# Altium PCB CM4-Tower.PcbDoc (part 6 of 10)
Units mil, origin at the board's own origin, x right, y up, seen from the top; angles counter-clockwise.
Board outline 1968.5 x 5354.33 mil, 8 copper layers (Top Layer, Layer 2, Layer 3, Layer 4, Layer 5, Layer 6, Layer 7, Bottom Layer), stack 61.408 mil thick; 632 components, 480 nets, 2338 pads, 1074 vias.
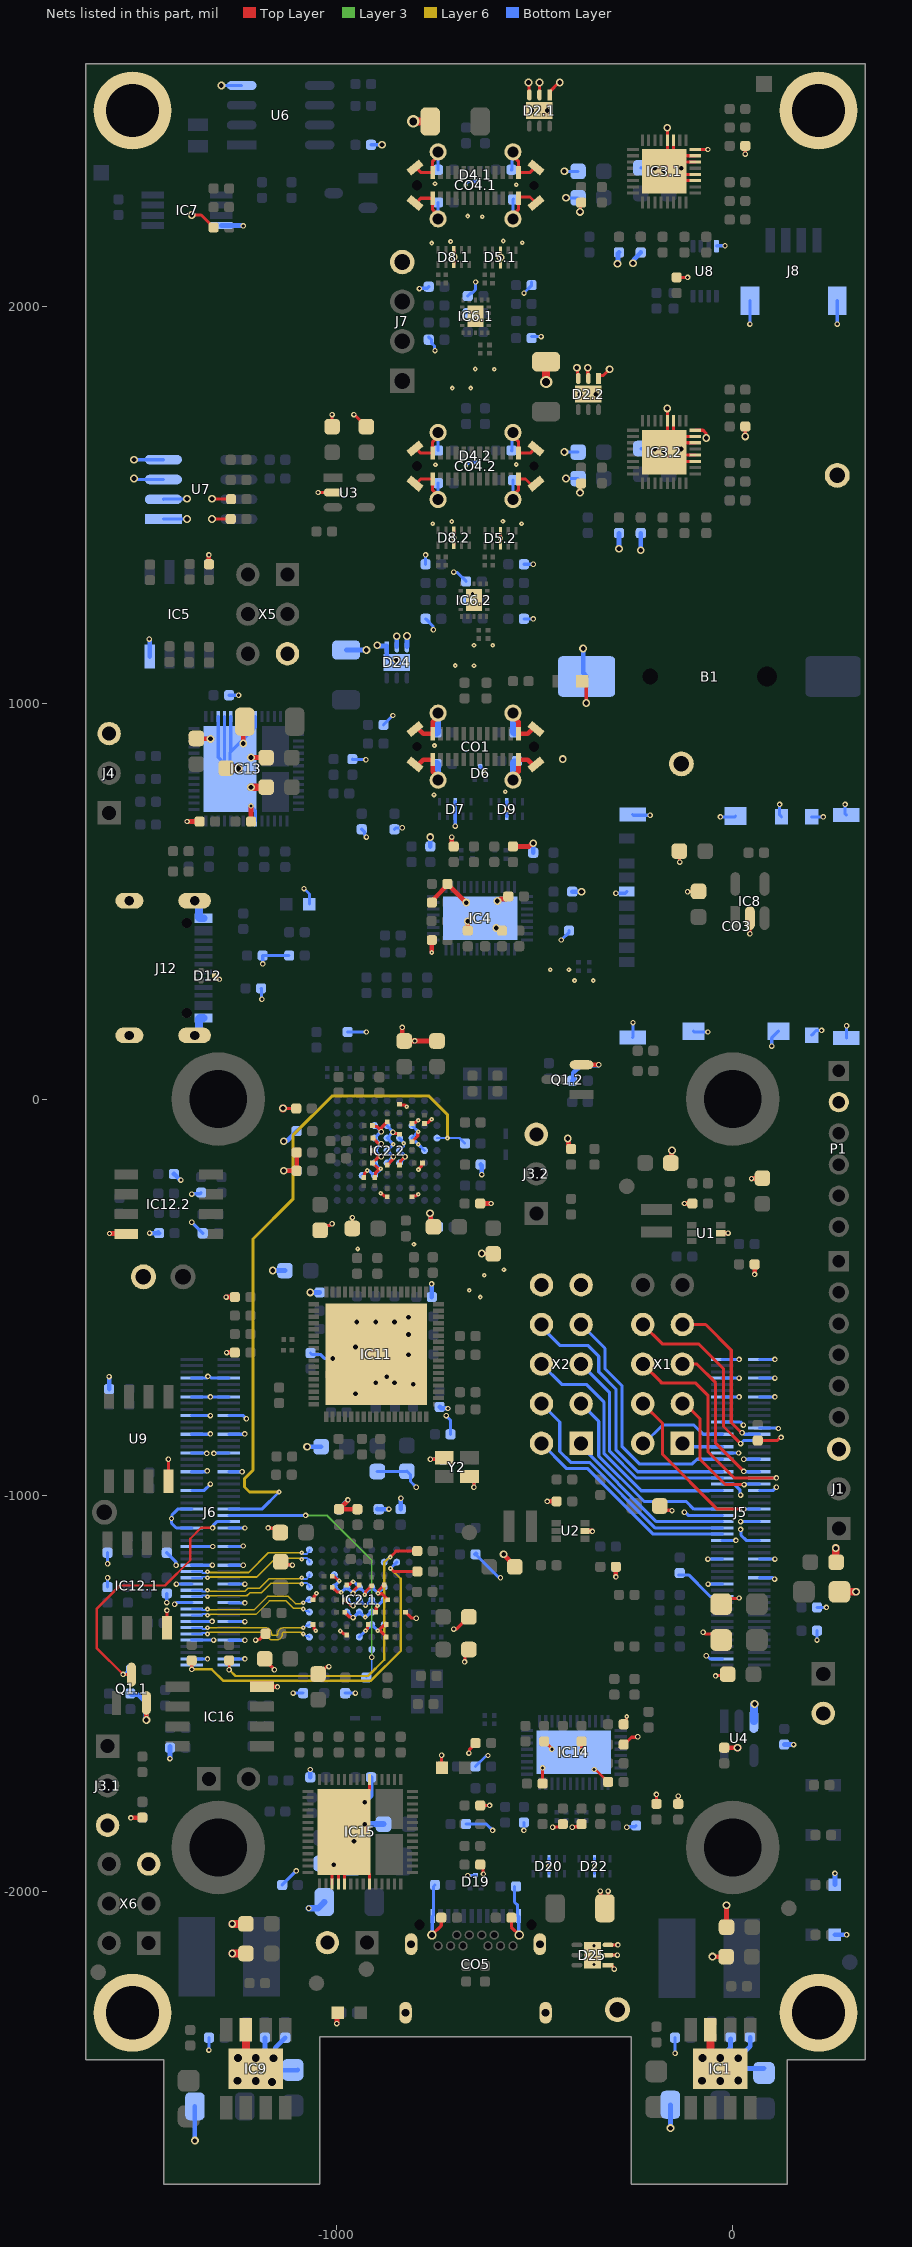
[diagram p12: the nets of this part, all layers, seen from the top]

## Via types
v1: diameter 13.78, hole 7.87, Top Layer to Bottom Layer, tented both sides, 538 vias
v2: diameter 11.81, hole 3.94, Top Layer to Bottom Layer, tented both sides, 294 vias
v3: diameter 19.68, hole 11.81, Top Layer to Bottom Layer, tented both sides, 193 vias
v4: diameter 31.5, hole 19.68, Top Layer to Bottom Layer, tented both sides, 49 vias

## Nets (pads, with @x,y where several pads share a name; then routed paths per layer and width w, separated by ;. In a path a pad name is that pad's centre, name@x,y a point inside that pad or via, vN(x,y) a via of type N, cw(c..) or ccw(c..) an arc to the next point about the centre after c; other vN are vias at no path point) (continued)
GND: B1.- C2.2 C3.2 C4.2 C5.2 C6.2 C7.2 C8.2 C9.2 C10.2 C11.2 C12.2 C13.2 C14.2 C15.2 C17.2 C18.2 C23.1.2 C23.2.2 C25.1.2 C25.2.2 C26.1.2 C26.2.2 C27.1.2 C27.2.2 C28.1.2 C28.2.2 C29.1.2 C29.2.2 C31.2 C32.2 C33.2 C34.2 C37.2 C38.2 C39.2 C40.2 C41.2 C46.2 C47.2 C48.2 C49.2 C50.2 C51.2 C52.2 C53.2 C54.2 C55.2 C56.2 C57.2 C58.2 C59.2 C60.2 C61.2 C62.2 C63.2 C64.2 C65.2 C66.1 C67.2 C68.2 C69.2 C70.2 C71.2 C72.2 C73.2 C74.2 C75.2 C76.2 C77.2 C78.1 C88.2 C90.2 C91.2 C92.1.2 C92.2.2 C93.1.2 C93.2.2 C94.1.2 C94.2.2 C95.1.2 C95.2.2 C96.1.2 C96.2.2 C97.1.2 C97.2.2 C98.1.2 C98.2.2 C99.1.2 C99.2.2 C100.1.2 C100.2.2 C101.1.2 C101.2.2 C102.1.2 C102.2.2 C103.1.2 C103.2.2 C104.1.2 C104.2.2 C105.1.2 C105.2.2 C106.1.2 C106.2.2 C107.1.2 C107.2.2 C108.1.2 C108.2.2 C109.1.2 C109.2.2 C110.1.2 C110.2.2 C111.1.2 C111.2.2 C112.1.2 C112.2.2 C113.1.2 C113.2.2 C114.1.2 C114.2.2 C117.1.1 C117.2.1 C126.1.2 C126.2.2 C127.1.2 C127.2.2 C130.2 C131.2 C132.2 C133.2 C134.2 C135.2 C136.2 C143.2 C144.2 C145.2 C146.2 C147.2 C148.2 C149.2 C151.2 C152.2 C153.2 C154.2 C155.1.2 C155.2.2 C156.1.2 C156.2.2 C157.1.2 C157.2.2 C159.2 C160.2 C161.2 C162.2 C163.2 C164.1 C165.2 C166.2 CO1.1 CO1.12 CO1.21 CO1.32 CO1.SH CO3.6 CO3.GND CO4.1.1 CO4.1.12 CO4.1.21 CO4.1.32 CO4.1.SH CO4.2.1 CO4.2.12 CO4.2.21 CO4.2.32 CO4.2.SH CO5.1 CO5.12 CO5.21 CO5.32 CO5.SH D1.1 D2.1.1 D2.1.2 D2.1.3 D2.1.7 D2.2.1 D2.2.2 D2.2.3 D2.2.7 D4.1.3 D4.2.3 D5.1.3 D5.1.8 D5.2.3 D5.2.8 D6.3 D7.3 D7.8 D8.1.3 D8.1.8 D8.2.3 D8.2.8 D9.3 D9.8 D11.1 D12.3 D14.1 D15.1 D17.1 D19.3 D20.3 D20.8 D21.1 D22.3 D22.8 D24.1 D24.2 D24.3 D24.7 D25.1 D25.2 D25.3 D25.7 H1.1 H2.1 H3.1 H4.1 IC1.7 IC1.9 IC2.1.C3 IC2.1.C4 IC2.1.D4 IC2.1.D5 IC2.1.D6 IC2.1.E4 IC2.1.E5 IC2.1.E6 IC2.1.E8 IC2.1.F4 IC2.1.F5 IC2.1.F6 IC2.1.F7 IC2.1.G4 IC2.1.G5 IC2.1.G7 IC2.2.C3 IC2.2.C4 IC2.2.D4 IC2.2.D5 IC2.2.D6 IC2.2.E4 IC2.2.E5 IC2.2.E6 IC2.2.E8 IC2.2.F4 IC2.2.F5 IC2.2.F6 IC2.2.F7 IC2.2.G4 IC2.2.G5 IC2.2.G7 IC3.1.11 IC3.1.12 IC3.1.14 IC3.1.15 IC3.1.16 IC3.1.19 IC3.1.20 IC3.1.33 IC3.2.11 IC3.2.12 IC3.2.14 IC3.2.15 IC3.2.16 IC3.2.19 IC3.2.20 IC3.2.33 IC4.41 IC5.4 IC6.1.19 IC6.2.19 IC7.4 IC8.2 IC9.7 IC9.9 IC11.69 IC12.1.4 IC12.2.4 IC13.20 IC13.45 IC13.46 IC13.47 IC13.51 IC13.59 IC14.41 IC15.20 IC15.45 IC15.46 IC15.47 IC15.51 IC15.59 IC16.4 J1.3 J2.2 J3.1.3 J3.2.3 J4.3 J5.1 J5.2 J5.7 J5.8 J5.13 J5.14 J5.22 J5.23 J5.32 J5.33 J5.42 J5.43 J5.52 J5.53 J5.59 J5.60 J5.65 J5.66 J5.71 J5.74 J5.98 J6.107 J6.108 J6.113 J6.114 J6.119 J6.120 J6.125 J6.126 J6.131 J6.132 J6.137 J6.138 J6.144 J6.150 J6.155 J6.156 J6.161 J6.162 J6.167 J6.168 J6.173 J6.174 J6.179 J6.180 J6.185 J6.186 J6.191 J6.192 J6.197 J6.198 J7.4 J8.5 J11.2 J12.A1/B12 J12.A12/B1 J12.Shell P1.2 Q1.1.2 Q1.2.2 R5.2 R10.2 R14.2 R15.2 R18.2 R24.1.2 R24.2.2 R26.1.2 R26.2.2 R32.1.2 R32.2.2 R33.1.2 R33.2.2 R34.1.1 R34.2.1 R35.1.1 R35.2.1 R37.1.2 R37.2.2 R39.1.2 R39.2.2 R41.1.2 R41.2.2 R42.1.2 R42.2.2 R43.1.1 R43.2.1 R44.2 R46.1.2 R46.2.2 R50.1.2 R50.2.2 R52.1.2 R52.2.2 R59.1.2 R59.2.2 R66.1.2 R66.2.2 R68.1.2 R68.2.2 R69.1.2 R69.2.2 R86.2 R87.2 R88.2 R89.2 R90.2 R91.2 R92.2 R93.2 R95.2 R100.2 R111.2 R114.2 R115.2 R122.1 R123.1 R124.1 R137.2 R138.2 R142.2 R164.2 R165.2 R166.2 R167.2 R168.2 R169.2 R170.2 R171.2 R173.2 R178.2 R192.2 R195.2 R197.2 R210.2 R213.2 R220.2 R224.1 R230.2 R241.1.2 R241.2.2 R242.1.2 R242.2.2 R243.1.2 R243.2.2 R244.1.2 R244.2.2 TP1.1 TP2.1 TP3.1 TP4.1 U1.2 U2.2 U3.2 U4.3 U6.4 U7.1 U7.2 U7.3 U7.4 U8.4 U9.4 X2.9 X2.10 X5.5 X6.5 Y2.2 Y2.4 | length 18950.9
  Top Layer w7.87: v1(-1429.11,-1291.32) -1429.11,-1334.94 IC12.1.4@-1428.94,-1335.12 ; v1(-1425.2,-909.45) -1425.2,-964.84 U9.4@-1425,-965.04 ; v3(-1366.14,2232.28) -1342.52,2232.28 C56.2@-1311.02,2200.79 ; v3(-1314.96,1464.57) C163.2@-1267.72,1464.57 ; v3(-1314.96,1515.75) -1314.47,1515.25 -1267.52,1515.25 R220.2@-1267.03,1514.76 ; D12.3@-1309.12,311.84 -1307.15,309.88 -1305.73,309.88 -1298.57,302.72 -1297.16,302.72 v1(-1296.4,301.96) ; v1(-1204.72,-1366.14) -1203.59,-1365.01 -1196,-1365.01 -1180.99,-1350 R35.1.1@-1179.66,-1350 ; C107.1.2@-1181.59,-1412.89 C107.1.2@-1182.09,-1413.39 -1182.09,-1414.86 -1157.48,-1439.47 v1(-1157.48,-1440.94) ; v1(-1173.23,-1082.68) -1172.1,-1083.81 -1153.4,-1083.81 C108.1.2@-1142.72,-1094.49 ; C94.1.2@-1141.73,-1168.31 -1134.18,-1175.86 -1113.12,-1175.86 v1(-1111.99,-1176.99) ; v3@-1135.39,-23.62 R43.2.1@-1102.36,-23.62 ; C96.1.2@-1059.86,-1326.95 -1057.89,-1328.92 -1057.89,-1337.11 -1053.36,-1341.63 v2(-1053.36,-1342.52) ; C112.1.2@-1059.86,-1263.96 -1057.89,-1261.99 -1057.89,-1256.68 -1051.94,-1250.72 -1051.94,-1248.81 v2(-1051.19,-1248.05) ; C106.1.2@-1047.24,-1451.77 -1044.05,-1451.77 -1026.48,-1434.2 -1020.82,-1434.2 v1(-1019.69,-1433.07) ; v1(-1047.24,1531.5) U3.2@-1009.86,1531.5 ; C108.2.2@-1042.17,-331.69 -1030.07,-319.59 -1018.04,-319.59 -1013.41,-314.96 v1(-1011.81,-314.96) ; IC15.45@-1011.81,-1982.28 -1011.81,-1879.92 IC15.59@-996.06,-1864.17 ; C165.2@-1011.81,1697.83 v1(-1011.81,1728.35) ; C97.1.2@-1011.43,-1232.46 -999.12,-1244.78 -989.89,-1244.78 v2(-989.14,-1245.54) ; C95.1.2@-1011.43,-1204.9 -1009.47,-1206.87 -1004.45,-1206.87 -994.61,-1216.72 v2(-993.54,-1216.72) ; IC15.46@-996.06,-1982.28 IC15.59@-996.06,-1864.17 ; v2(-991.26,-1343.11) -990.51,-1343.86 -989.21,-1343.86 -981.91,-1351.16 -976.59,-1351.16 C105.1.2@-974.62,-1353.13 ; IC15.59@-982.28,-1891.73 IC15.59@-980.32,-1893.7 ; IC15.47@-980.32,-1982.28 IC15.59@-980.32,-1893.7 ; C113.1.2@-979.94,-1295.46 -967.18,-1308.21 -959.99,-1308.21 v1(-958.86,-1309.34) ; C111.1.2@-979.94,-1263.96 v1@-965.32,-1278.58 ; C103.1.2@-974.62,-1227.15 -972.66,-1225.18 -967.34,-1225.18 -961.63,-1219.47 -959.63,-1219.47 v2(-958.88,-1218.72) ; v1(-960.63,-299.21) -960.55,-299.29 -960.55,-326.7 C94.2.2@-960.48,-326.77 ; v1@-957.75,-1241.77 C104.1.2@-943.13,-1227.15 ; v3(-956.69,-1874.02) -968.5,-1874.02 IC15.59@-980.32,-1885.83 ; v1(-956.69,1728.35) -956.2,1728.35 -925.69,1697.83 C166.2@-925.2,1697.83 ; C95.2.2@-931.93,-198.23 -929.98,-196.27 -929.98,-187.42 v2(-922.89,-180.34) ; v2(-928.94,-1251.73) -927.81,-1250.6 -927.81,-1244.7 C109.1.2@-911.63,-1228.53 ; v2(-927.38,-1342.7) -927.38,-1341.63 -922.85,-1337.11 -922.85,-1328.92 C101.1.2@-920.88,-1326.95 ; IC15.51@-917.32,-1982.28 -917.32,-1956.69 IC15.59@-980.32,-1893.7 ; IC15.20@-917.32,-1718.5 -917.32,-1744.09 -982.28,-1809.06 IC15.59@-982.28,-1850.39 ; C104.2.2@-909.69,-129.92 -895.07,-144.54 ; C110.2.2@-909.69,-66.93 -907.72,-68.9 -899.32,-68.9 -888.93,-79.29 -888.93,-81.55 v1(-887.8,-82.68) ; C109.2.2@-908.31,-98.43 v1@-893.69,-113.04 ; C97.2.2@-904.38,-198.23 -902.6,-196.46 -902.6,-187.23 -892.32,-176.95 -891.06,-176.95 v2@-891.06,-176.69 ; C99.1.2@-902.38,-1295.46 -900.41,-1293.49 -900.41,-1283.64 -897.36,-1280.59 v2(-897.36,-1279.53) ; v2@-893.63,-1341.43 -881.12,-1328.92 -876.79,-1328.92 C98.1.2@-874.82,-1326.95 ; -890.33,-1342.94 -876.79,-1356.48 C114.1.2@-874.82,-1358.45 ; v2(-889.24,-176.2) -889.99,-175.45 -895.66,-175.45 C103.2.2@-909.69,-161.42 -895.07,-146.8 -888.93,-146.8 v1(-887.8,-145.67) ; v2(-888.78,-237.98) -888.03,-238.73 -886.12,-238.73 -880.16,-244.69 -874.85,-244.69 C112.2.2@-872.88,-246.65 ; v1@-886.67,-81.55 -886.67,-71.47 C100.2.2@-872.88,-57.68 ; C110.1.2@-880.14,-1227.15 -894.75,-1241.77 -894.75,-1247.08 v2(-895.88,-1248.21) -895.13,-1248.96 -885.88,-1248.96 C100.1.2@-870.88,-1263.96 ; C111.2.2@-872.88,-166.73 v1@-858.26,-152.11 ; v1@-853.52,-87.2 -843.35,-87.2 C99.2.2@-841.38,-89.17 ; C113.2.2@-841.38,-166.73 -839.42,-164.76 -839.42,-157.58 v1(-827.49,-145.66) ; C102.2.2@-841.38,-13.19 -839.42,-15.16 -828.39,-15.16 -824.08,-19.47 v2(-823.01,-19.47) ; C102.1.2@-826.4,-1295.46 -811.96,-1309.89 -800.34,-1309.89 v1(-799.21,-1311.02) ; C96.2.2@-809.89,-246.65 -807.92,-244.69 -799.73,-244.69 -795.2,-240.16 v2(-794.14,-240.16) ; C101.2.2@-809.89,-107.68 -795.41,-93.2 -795.41,-83.42 v2(-794.65,-82.66) ; C98.2.2@-809.89,-61.61 -807.92,-59.65 -801.67,-59.65 -795.21,-53.18 v2(-794.14,-53.18) v2@-793.07,-53.18 ; CO4.2.SH@-802.36,1553.55 -799.83,1553.55 -787.82,1565.56 -757.87,1565.56 -757.87,1536.96 -744.09,1523.18 CO4.2.SH@-744.09,1513.78 CO4.2.SH@-744.09,1513.59 ; CO4.2.SH@-802.36,1642.92 -799.83,1642.92 -787.82,1630.92 -757.87,1630.92 CO4.2.21@-757.87,1631.1 -757.87,1659.52 -744.09,1673.3 CO4.2.SH@-744.09,1682.88 ; CO4.1.SH@-802.36,2262.4 -799.83,2262.4 -787.82,2274.41 CO4.1.12@-757.87,2274.41 -757.87,2245.81 -744.09,2232.03 CO4.1.SH@-744.09,2222.44 ; CO4.1.SH@-802.36,2351.77 -799.83,2351.77 -787.82,2339.76 CO4.1.21@-757.87,2339.76 -757.87,2368.36 -744.09,2382.14 CO4.1.SH@-744.09,2391.73 ; v2(-793.73,-178.05) -792.98,-177.3 -792.98,-176 -785.68,-168.7 -785.68,-163.39 C105.2.2@-783.71,-161.42 ; C114.2.2@-780.36,-59.65 C114.2.2@-778.39,-61.61 -776.42,-59.65 -769.81,-59.65 -761.35,-51.18 v2(-760.28,-51.18) ; v1(-763.78,-909.45) -732.78,-909.45 Y2.2@-728.84,-905.51 ; CO5.21@-759.84,-2110.63 -736.22,-2087.01 C147.2@-736.22,-2066.93 ; v1(-735.12,-1656.99) -735.12,-1688.11 D21.1@-734.25,-1688.98 ; v1(-704.72,-1338.58) -703.59,-1337.45 -696.74,-1337.45 C93.1.2@-666.55,-1307.27 ; D8.2.8@-704.72,1398.44 D8.2.3@-704.72,1435.84 ; D8.1.8@-704.72,2107.28 v3(-704.72,2125.98) D8.1.3@-704.72,2144.69 ; v1(-677.17,-1421.26) -676.04,-1420.13 -676.04,-1399.43 C92.1.2@-666.55,-1389.94 ; v1(-666.34,-1651.29) -665.21,-1650.16 -665.21,-1642.92 -649.61,-1627.32 C134.2@-649.61,-1625.98 ; Y2.4@-664.86,-952.76 -653.54,-964.07 v1(-653.54,-980.31) ; R213.2@-637.8,-1933.07 -631.05,-1939.82 -631.05,-1955.56 v1(-629.92,-1956.69) ; R178.2@-637.8,-1783.46 v1(-614.17,-1783.46) ; D5.2.3@-586.61,1397.45 D5.2.8@-586.61,1434.85 ; D5.1.3@-586.61,2106.3 v3(-586.61,2125) D5.1.8@-586.61,2143.7 ; CO4.2.SH@-555.12,1513.78 -555.12,1523.37 -541.34,1537.15 CO4.2.1@-541.34,1565.75 -523.62,1565.75 -509.63,1551.76 -498.83,1551.76 CO4.2.SH@-496.85,1553.74 ; CO4.2.SH@-555.12,1682.88 -555.12,1674.52 -541.34,1660.74 CO4.2.32@-541.34,1631.1 -541.34,1630.92 -511.39,1630.92 -499.38,1642.92 CO4.2.SH@-496.85,1642.92 ; CO4.1.SH@-555.12,2222.44 -555.12,2232.03 -541.34,2245.81 CO4.1.1@-541.34,2274.41 -541.34,2275.75 -539.37,2277.72 -512.17,2277.72 CO4.1.SH@-496.85,2262.4 ; CO4.1.SH@-555.12,2391.73 -555.12,2382.14 -541.34,2368.36 CO4.1.32@-541.34,2339.76 -511.39,2339.76 -499.38,2351.77 CO4.1.SH@-496.85,2351.77 ; C146.2@-551.72,-2059.59 C146.2@-559.06,-2066.93 -559.06,-2090.94 CO5.32@-539.37,-2110.63 ; v3(-515.75,2566.93) -514.48,2565.66 -514.48,2536.15 D2.1.3@-513.78,2535.45 ; v3(-507.87,2496.06) D2.1.7@-488.19,2496.06 v3(-468.5,2496.06) ; D2.1.2@-488.19,2535.45 v3(-488.19,2566.93) ; C133.2@-480.31,-1728.35 v1(-480.32,-1688.98) ; R167.2@-476.38,-1622.05 -475.05,-1622.05 -456.69,-1640.4 v1(-456.69,-1641.73) ; D2.1.1@-462.6,2535.45 -462.6,2543.69 -439.36,2566.93 v3(-437.01,2566.93) ; v1(-454.79,-1838.75) -453.66,-1837.62 -436.04,-1837.62 R166.2@-429.13,-1830.71 ; v1(-405.51,-1838.58) -404.38,-1837.45 -388.63,-1837.45 R165.2@-381.89,-1830.71 ; v3(-393.7,1846.27) -392.43,1845 -392.43,1819.62 D2.2.3@-391.73,1818.92 ; v3(-385.83,1531.31) -384.54,1532.59 -384.54,1553.39 R69.2.2@-383.26,1554.67 ; v3(-385.83,1779.53) v3(-346.46,1779.53) ; v3(-385.83,2240.16) -384.54,2241.44 -384.54,2262.24 R69.1.2@-383.26,2263.52 ; v1(-381.89,-1645.67) R170.2@-381.89,-1622.05 ; D17.1@-379.92,1055.12 -370.08,1045.28 v3(-370.08,1000) ; D2.2.2@-366.14,1814.79 v3(-366.14,1846.27) ; v1(-350.39,-1692.91) -349.26,-1694.04 -345.33,-1694.04 C135.2@-314.96,-1724.41 ; D2.2.1@-340.55,1814.79 -340.55,1825.39 -338.73,1827.21 -326.34,1827.21 v3(-311.02,1842.52) ; v1(-334.65,-2000) -333.52,-2001.13 -333.52,-2032.63 C143.2@-322.83,-2043.31 -314.96,-2035.43 v1(-314.96,-2000) ; D25.1@-314.94,-2187.01 -306.7,-2187.01 -300.34,-2193.37 -300.34,-2195.72 v1(-299.21,-2196.85) ; D25.2@-314.94,-2161.42 v1(-291.34,-2161.42) ; D25.3@-314.94,-2135.83 -314.79,-2135.68 -290.22,-2135.68 v1(-290.07,-2135.53) ; R164.2@-275.59,-1629.92 -274.26,-1629.92 -255.7,-1611.37 -241.29,-1611.37 v1(-240.16,-1610.24) ; C136.2@-275.59,-1578.74 -268.47,-1571.62 -268.47,-1559.81 v2(-267.72,-1559.06) ; R197.2@-192.91,-1779.53 v1(-192.91,-1755.91) ; C18.2@-184.06,-1027.56 -173.37,-1038.24 -154.67,-1038.24 v1(-153.54,-1039.37) ; v3(-165.35,1743.91) IC3.2.20@-165.35,1712.41 IC3.2.33@-165.35,1641.55 ; v3(-165.35,2452.76) IC3.1.20@-165.35,2421.26 IC3.1.33@-165.35,2350.39 ; IC3.2.19@-149.61,1712.41 IC3.2.33@-149.61,1657.29 ; IC3.1.19@-149.61,2421.26 IC3.1.33@-149.61,2366.14 ; C164.1@-141.73,2074.8 v1(-114.17,2074.8) ; R210.2@-137.8,-1779.53 v1(-137.8,-1759.84) ; C53.2@-134.84,625.98 -134.35,625.49 -134.35,598.92 v1(-133.86,598.43) ; v1(-114.17,523.52) -113.63,524.06 -87.16,524.06 C54.2@-86.61,524.61 ; IC3.2.11@-94.49,1610.05 -149.61,1610.05 IC3.2.33@-165.35,1625.8 ; IC3.2.12@-94.49,1625.8 IC3.2.33@-165.35,1625.8 ; IC3.2.14@-94.49,1657.29 IC3.2.33@-149.61,1657.29 ; IC3.2.15@-94.49,1673.04 -133.86,1673.04 IC3.2.33@-149.61,1657.29 ; IC3.2.16@-94.49,1688.79 -74.83,1688.79 -67.91,1681.87 -67.91,1670.28 v3(-66.93,1669.29) ; IC3.1.11@-94.49,2318.9 -149.61,2318.9 IC3.1.33@-165.35,2334.65 ; IC3.1.12@-94.49,2334.65 IC3.1.33@-165.35,2334.65 ; IC3.1.14@-94.49,2366.14 IC3.1.33@-149.61,2366.14 ; IC3.1.15@-94.49,2381.89 -133.86,2381.89 IC3.1.33@-149.61,2366.14 ; IC3.1.16@-94.49,2397.64 v1(-62.99,2397.64) ; v1(-74.8,-1346.46) -73.21,-1346.46 -68.62,-1351.04 -49.24,-1351.04 -46.8,-1348.6 C49.2@-29.25,-1366.14 ; v1(-43.31,-1456.69) -42.18,-1455.56 -15.6,-1455.56 C52.2@-12.8,-1452.76 ; C50.2@-29.25,-1275.59 -14.63,-1260.97 14.62,-1260.97 v1(15.75,-1259.84) ; v1@14.15,-704.72 v1(15.75,-704.72) ; v3(31.5,1673.23) R68.2.2@31.5,1697.98 ; v1(31.5,2385.83) R68.1.2@31.5,2406.82 ; v1(43.31,417.32) IC8.2@43.31,456.96 ; R124.1@62.99,-862.2 112.58,-862.2 120.45,-854.33 v1(122.05,-854.33) ; IC15.59@-996.06,-1864.17 IC15.59@-982.28,-1850.39 ; IC15.59@-982.28,-1850.39 -980.32,-1852.36 IC15.59@-980.32,-1885.83 ; IC15.59@-980.32,-1893.7 IC15.59@-980.32,-1885.83 ; IC3.2.33@-165.35,1625.8 v3(-173.23,1633.67) IC3.2.33@-165.35,1641.55 ; IC3.2.33@-165.35,1641.55 IC3.2.33@-149.61,1657.29 ; IC3.1.33@-165.35,2334.65 v3(-173.23,2342.52) IC3.1.33@-165.35,2350.39 ; IC3.1.33@-165.35,2350.39 IC3.1.33@-149.61,2366.14
  Top Layer w11.81: v1(-1573.88,-339.5) -1532.15,-339.5 IC12.2.4@-1531.36,-340.29 ; v1(-1519.69,-1814.96) -1519.31,-1814.58 -1493.75,-1814.58 R37.1.2@-1492.33,-1816.01 ; v3(-1480.76,-1568.05) Q1.1.2@-1480.76,-1524.74 ; v1(-1377.95,700.79) C47.2@-1346.46,700.79 ; C132.2@-1354.33,910.43 -1353.72,909.83 -1319.27,909.83 v3(-1318.9,909.45) ; C148.2@-1322.83,1350.39 v1@-1322.83,1374.76 ; v1(-1279.53,-500) R137.2@-1257.29,-499.97 ; v1(-1278.05,-640.02) R138.2@-1257.32,-640.05 ; v3(-1236.22,897.64) C159.2@-1236.22,948.82 ; C48.2@-1216.54,700.79 v1(-1216.54,740.16) ; v3(-1216.54,862.2) C130.2@-1178.15,862.2 ; IC16.4@-1188.5,-1484.06 -1188.41,-1484.15 -1149.7,-1484.15 v1(-1149.61,-1484.25) ; v3(-1133.86,-181.1) R24.2.2@-1101.23,-181.1 R50.2.2@-1101.23,-134.84 ; v1(-1000,-2334.65) -999.62,-2334.27 -999.62,-2308.68 D15.1@-998.03,-2307.09 ; v1(-972.06,-1012.19) -972.44,-1012.56 -972.44,-1013.75 R24.1.2@-994.31,-1035.61 R50.1.2@-948.05,-1035.61 ; v1(-834.65,181.1) -834.27,180.73 -834.27,151.35 C93.2.2@-829.57,146.65 v1(-803.15,146.65) C92.2.2@-746.9,146.65 ; CO1.SH@-802.36,845.08 -801.94,844.66 -793.93,844.66 -781.5,857.09 CO1.32@-757.87,857.09 -757.87,826.59 -744.09,812.81 CO1.SH@-744.09,805.12 ; CO1.SH@-802.36,934.45 -801.94,934.87 -793.93,934.87 -781.5,922.44 CO1.1@-757.87,922.44 -757.87,952.94 -744.09,966.72 CO1.SH@-744.09,974.41 ; v3(-764.5,-288.12) -762.99,-289.62 -762.99,-315.6 C107.2.2@-755.75,-322.83 ; v2(-759.84,370.08) C32.2@-759.84,401.57 ; R86.2@-759.84,496.33 -753.26,502.92 -753.26,506.59 C33.2@-720.47,539.37 ; C33.2@-720.47,543.31 v3(-673.23,496.06) ; v1(-709.64,661.42) -709.26,661.04 -709.26,642.33 R87.2@-704.72,637.8 ; R92.2@-669.29,425.2 v3(-669.29,448.82) ; R35.2.1@-637.8,-263.78 v1(-610.24,-263.78) ; v3(-633.86,-389.76) -633.37,-390.26 -605.66,-390.26 C106.2.2@-605.16,-390.75 ; v3(-597.44,431.81) -595.94,430.3 -587.78,430.3 R89.2@-582.68,425.2 ; v3(-594.49,500) -592.36,500 -587.13,505.23 -573.52,505.23 C31.2@-566.93,511.81 ; v3(-578.74,-1149.61) -578.74,-1151.08 -550.2,-1179.63 C61.2@-550.2,-1181.1 ; R88.2@-559.66,642.34 R88.2@-555.12,637.8 -513.94,637.8 -506.07,645.67 v3(-503.94,645.67) ; CO1.SH@-555.12,805.12 -555.12,812.81 -541.34,826.59 CO1.21@-541.34,857.09 -517.72,857.09 -505.29,844.66 -497.27,844.66 CO1.SH@-496.85,845.08 ; CO1.SH@-555.12,974.41 -555.12,966.72 -541.34,952.94 CO1.12@-541.34,922.44 -517.72,922.44 -505.29,934.87 -497.27,934.87 CO1.SH@-496.85,934.45 ; v1(-468.5,-1015.75) R14.2@-444.88,-1015.75 ; v3(-416.75,-99.48) -415.24,-100.99 -415.24,-109.53 -414.9,-109.87 -414.9,-119.13 -410.26,-123.77 R37.2.2@-406.91,-123.77 ; Q1.2.2@-381.89,86.61 v1(-338.58,86.61) ; U2.2@-373.03,-1090.55 -355.85,-1090.55 -354.86,-1091.54 v1(-354.33,-1091.54) ; v1(-295.28,-1206.69) R15.2@-295.28,-1181.1 ; C17.2@-156.5,-161.42 -155.02,-159.94 -155.02,-131.4 v3(-153.54,-129.92) ; v1(-122.05,-263.78) -103.93,-263.78 R10.2@-103.14,-264.56 ; v3(-51.18,-2165.35) C2.2@-16.73,-2165.35 ; U1.2@-30.51,-338.58 v1(-11.81,-338.58) ; C66.1@-21.65,-1637.81 v3(11.81,-1637.8) ; C3.2@-15.78,-2090.88 v3@-15.78,-2035.47 ; v1(47.24,-200.79) 47.62,-200.41 74.2,-200.41 C13.2@74.8,-199.8 ; v1(55.12,-442.91) R230.2@55.12,-417.32
  Top Layer w19.68: C91.2@-1279.53,835.63 -1278.54,834.65 v3(-1248.03,834.65) ; v3(-1263.78,-2157.48) -1239.17,-2157.48 -1233.28,-2151.59 C57.2@-1233.28,-2149.61 ; v3(-1263.78,-2082.68) C58.2@-1229.33,-2082.68 ; IC9.7@-1229.51,-2350.43 -1229.51,-2423.85 IC9.9@-1204.51,-2448.85 ; v3(-1216.54,787.4) C131.2@-1178.15,787.4 ; v3(-1135.78,-23.23) v3@-1135.39,-23.62 ; v4(-807.09,2468.5) C25.1.2@-763.78,2468.5 ; v4(-471.43,1810.56) C25.2.2@-471.43,1861.74 ; IC1.7@-56.5,-2350.39 -56.5,-2423.82 IC1.9@-31.5,-2448.82 ; IC1.9@-56.3,-2423.82 IC1.9@-31.3,-2448.82 ; v3(259.84,-1133.86) 259.84,-1168.31 C55.2@260.83,-1169.29 ; C51.2@269.41,-1244.09 v3(311.02,-1244.09)
  Bottom Layer w7.87: R52.1.2@-1578.74,-1232.28 v1(-1578.74,-1208.66) ; v1(-1578.74,-1173.23) C117.1.1@-1578.74,-1145.67 ; v3(-1511.81,1566.93) -1510.75,1566.93 -1508.19,1564.37 U7.3@-1437.7,1564.37 ; v3(-1511.81,1614.17) -1511.71,1614.27 -1437.8,1614.27 U7.4@-1437.7,1614.37 ; U7.1@-1437.7,1464.37 -1437.5,1464.57 v3(-1377.95,1464.57) ; U7.2@-1437.7,1514.37 -1437.01,1515.06 -1378.64,1515.06 v3(-1377.95,1515.75) ; v1(-1429.13,-1271.65) R46.1.2@-1429.13,-1248.03 ; R41.1.2@-1429.13,-1145.67 -1406.64,-1168.16 -1406.64,-1176.04 v1(-1405.51,-1177.17) ; v1@-1417.32,-1057.46 v1(-1417.32,-1059.06) -1417.32,-1070.87 -1405.14,-1083.05 -1393.04,-1083.05 -1392.66,-1082.68 J6.156@-1366.14,-1082.68 J6.156@-1365.77,-1082.68 ; v1@-1417.26,-1057.39 -1416.19,-1056.33 -1416.19,-1050.05 -1410.63,-1044.48 -1401.57,-1035.43 J6.150@-1366.14,-1035.43 J6.150@-1365.77,-1035.43 ; v1(-1409.45,-1275.59) -1407.85,-1275.59 -1403.91,-1271.65 J6.180@-1366.14,-1271.65 J6.180@-1365.77,-1271.65 ; v1(-1405.14,-1224.79) J6.174@-1365.77,-1224.79 ; J6.192@-1366.14,-1366.14 v1(-1311.02,-1366.14) ; J6.168@-1366.14,-1177.17 -1314.4,-1177.17 v1(-1314.2,-1176.96) ; J6.162@-1366.14,-1129.92 -1313.12,-1129.92 v1(-1313.03,-1129.82) ; J6.138@-1366.14,-940.95 -1330.68,-940.95 -1328.77,-939.03 v1(-1327.17,-939.03) ; J6.132@-1366.14,-893.7 -1329.25,-893.7 v1(-1328.26,-894.69) ; J6.126@-1366.14,-846.46 -1319.88,-846.46 v1(-1318.9,-845.47) ; J6.120@-1366.14,-799.21 v1(-1318.9,-799.21) ; J6.114@-1366.14,-751.97 v1(-1318.9,-751.97) J6.113@-1272.44,-751.97 ; J6.108@-1366.14,-704.72 -1328.11,-704.72 -1325.39,-702 v1(-1325.39,-700.46) ; v1(-1366.14,-311.02) R41.2.2@-1338.45,-338.71 ; v1(-1366.14,-240.16) -1365.01,-239.03 -1345.06,-239.03 C117.2.1@-1342.39,-236.35 ; J6.198@-1365.77,-1413.76 v1(-1326.4,-1413.76) ; J6.186@-1365.77,-1319.27 -1365.39,-1318.9 -1333.66,-1318.9 v1(-1314.96,-1318.9) ; J6.144@-1365.77,-988.19 -1334.65,-988.19 v1(-1318.9,-972.44) ; v1@-1323.85,-700.46 -1320.65,-700.46 -1316.38,-704.72 J6.107@-1272.44,-704.72 ; v1(-1322.83,-2401.57) C65.2@-1322.83,-2370.08 ; v1(-1310.18,-894.69) -1309.2,-893.7 J6.131@-1272.44,-893.7 ; IC13.45@-1299.21,965.55 -1299.21,863.19 IC13.59@-1283.46,847.44 ; v3(-1291.34,2559.06) -1291.24,2559.15 -1240.29,2559.15 U6.4@-1240.19,2559.25 ; IC13.46@-1283.46,965.55 IC13.59@-1283.46,847.44 ; J6.167@-1272.44,-1177.17 v1(-1236.22,-1177.17) ; J6.137@-1272.44,-940.95 v1(-1239.17,-940.95) ; J6.125@-1272.44,-846.46 -1233.27,-846.46 v1(-1232.28,-845.47) ; J6.119@-1272.44,-799.21 -1236.22,-799.21 v1(-1228.35,-807.09) ; J6.161@-1272.33,-1129.92 -1239.05,-1129.92 -1237.67,-1128.54 v1(-1236.07,-1128.54) ; J6.197@-1272.06,-1413.76 v1(-1231.91,-1413.76) ; J6.191@-1272.06,-1366.52 v1(-1231.91,-1366.52) ; J6.185@-1272.06,-1319.27 v1(-1231.91,-1319.27) ; J6.179@-1272.06,-1272.03 v1(-1231.91,-1272.03) ; J6.173@-1272.06,-1224.79 v1(-1231.91,-1224.79) ; J6.155@-1272.06,-1083.05 v1(-1231.91,-1083.05) ; R95.2@-1271.65,1019.68 v1(-1248.03,1019.69) ; IC13.59@-1269.69,833.66 IC13.59@-1269.69,847.44 ; IC13.47@-1267.72,965.55 IC13.59@-1267.72,876.97 ; v3(-1248.03,834.65) -1260.83,847.44 IC13.59@-1269.69,847.44 ; v1(-1216.54,740.16) -1216.54,739.17 -1204.72,727.36 IC13.20@-1204.72,701.77 ; IC13.51@-1204.72,965.55 -1204.72,939.96 IC13.59@-1267.72,876.97 ; R114.2@-1191.04,279.53 -1190.01,278.49 -1190.01,253 v1(-1188.98,251.97) ; v1(-1186.77,341.44) -1186.94,341.61 -1186.94,362.04 R115.2@-1187.11,362.2 R18.2@-1120.18,362.2 ; R173.2@-1137.8,-1984.25 v1(-1102.36,-1948.82) ; v1(-1110.24,-1500) -1110.15,-1500.09 -1084.95,-1500.09 R42.1.2@-1084.86,-1500.18 ; v1(-1082.68,531.5) -1068.9,517.72 D11.1@-1068.9,492.13 ; C72.2@-1066.16,-641.39 -1062.91,-644.65 -1041.56,-644.65 -1031.4,-654.8 -1010.13,-654.8 v3(-1009.75,-655.18) ; IC2.1.C4@-1006.12,-1230.36 -993.54,-1217.78 v2(-993.54,-1216.72) -993.54,-1215.65 -1006.11,-1203.09 IC2.1.C3@-1006.11,-1200.97 ; IC2.1.C4@-1003.44,-1232.46 -991.12,-1244.78 -989.89,-1244.78 v2(-989.14,-1245.54) -988.42,-1245.54 -975.35,-1232.46 IC2.1.D4@-974.62,-1232.46 v1(-958.88,-1248.21) IC2.1.E4@-943.13,-1232.46 ; R39.1.2@-978.56,-1500.18 -953.15,-1500.18 v1(-952.97,-1500) ; IC2.1.D6@-974.61,-1295.46 -973.68,-1295.46 -959.79,-1309.34 v1(-958.86,-1309.34) -957.93,-1309.34 IC2.1.E6@-944.04,-1295.46 ; IC2.1.D5@-974.61,-1263.97 v1(-958.88,-1279.71) IC2.1.E5@-943.13,-1263.96 v2(-927.38,-1279.71) IC2.1.F5@-911.63,-1263.96 -911.63,-1264.75 -897.64,-1278.74 -897.64,-1279.53 v2(-897.36,-1279.53) -896.67,-1279.53 -881.1,-1263.96 IC2.1.G5@-880.13,-1263.96 ; R33.2.2@-972.44,169.29 v1(-925.2,169.29) ; R100.2@-960.63,858.27 -959.86,857.5 -927.2,857.5 v1(-926.42,856.73) ; v2(-958.88,-1218.72) -958.12,-1219.47 -956.12,-1219.47 IC2.1.E4@-943.13,-1232.46 ; IC2.1.E8@-943.13,-1358.45 v2(-927.38,-1342.7) IC2.1.F7@-911.63,-1326.95 ; IC2.1.E6@-943.13,-1295.45 -941.89,-1295.46 -929.33,-1308.01 v2(-928.09,-1308.01) -926.49,-1308.01 -913.94,-1295.46 IC2.1.F6@-911.63,-1295.45 ; R192.2@-937.01,681.1 -929.67,673.76 -929.67,667.49 -925.2,663.02 v1(-925.2,661.42) ; IC2.2.C3@-935.87,-192.91 -935.66,-192.9 -923.09,-180.34 v2(-922.89,-180.34) ; v2(-928.94,-1251.73) -928.86,-1251.64 -928.86,-1246.75 IC2.1.E4@-943.13,-1232.46 ; v2@-927.81,-1249 -927.81,-1248.65 IC2.1.F4@-911.63,-1232.46 v2(-895.88,-1248.21) IC2.1.G4@-880.13,-1232.46 ; v2@-921.19,-180.34 -919.06,-180.34 IC2.2.C4@-906.48,-192.91 ; C162.2@-913.39,2409.45 v3(-885.83,2409.45) ; IC2.1.F7@-911.36,-1327.35 v2@-896.65,-1342.06 ; IC2.2.C4@-904.38,-190.24 -902.49,-190.24 -889.24,-176.99 v2(-889.24,-176.2) ; IC2.2.D4@-904.38,-161.42 -904.38,-162.14 v2@-891.3,-175.21 ; IC2.2.E4@-904.38,-129.92 -904.38,-129.63 v1@-888.77,-114.02 ; IC2.2.G4@-904.38,-66.93 -903.97,-66.92 -888.21,-82.68 v1(-887.8,-82.68) ; IC2.2.E4@-903.97,-129.92 -888.21,-145.67 v1(-887.8,-145.67) ; C68.2@-897.65,-940.5 -897.31,-940.16 -823.17,-940.16 C8.2@-822.84,-939.82 -813.99,-948.67 -813.99,-965.54 v1(-799.21,-980.31) ; v2@-896.13,-1342.18 -895.62,-1342.18 IC2.1.G7@-881.39,-1327.95 ; v1@-888.63,-114.17 v1@-888.77,-114.02 ; v1@-888.63,-82.68 IC2.2.F4@-904.38,-98.43 -888.92,-113.88 v1@-888.77,-114.02 ; v1(-887.8,-112.76) -887.8,-113.05 v1@-888.77,-114.02 ; R195.2@-881.89,944.88 v1(-858.27,968.5) ; IC2.2.D5@-872.88,-161.42 v1(-857.13,-145.67) ; IC2.2.G5@-872.88,-66.93 -872.88,-68.18 -858.48,-82.58 v1(-858.48,-83.84) -858.48,-83.93 -872.88,-98.33 IC2.2.F5@-872.88,-98.43 v2(-857.13,-114.17) IC2.2.E5@-872.88,-129.92 v1(-857.13,-145.67) ; R44.2@-854.33,681.1 -851.43,684.01 -835.78,684.01 v1(-834.65,685.14) ; IC2.2.D6@-841.38,-161.42 -841.38,-160.48 -827.49,-146.59 v1(-827.49,-145.66) -827.49,-144.73 IC2.2.E6@-841.38,-130.84 ; IC2.2.E6@-841.38,-129.92 -831.31,-119.85 -831.31,-112.17 v2(-830.56,-111.41) -830.56,-110.35 -841.38,-99.52 IC2.2.F6@-841.38,-98.43 ; IC2.2.F7@-809.89,-98.43 -809.67,-98.43 -794.35,-113.74 v2(-794.14,-113.74) ; IC2.2.F7@-809.89,-98.16 -794.65,-82.92 v2(-794.65,-82.66) -794.65,-82.41 IC2.2.G7@-808.89,-68.18 ; IC2.2.G7@-808.89,-66.93 -795.14,-53.18 v2(-794.14,-53.18) ; v2@-794.14,-114.17 IC2.2.E8@-778.39,-129.92 ; v1(-791.34,2046.26) -790.21,2047.39 -771.51,2047.39 R244.1.2@-767.72,2051.18 ; R243.2.2@-775.59,1212.6 -757.04,1194.04 -757.04,1186.17 v1(-755.91,1185.04) ; R244.2.2@-775.59,1350.39 v1(-775.59,1374.02) ; R243.1.2@-767.72,1923.87 -760.38,1916.53 -760.38,1908.65 -753.1,1901.37 -753.1,1890.89 v1(-751.97,1889.76) ; v1(-763.78,-909.45) C90.2@-732.28,-909.45 ; CO5.21@-759.84,-2110.63 -758.86,-2109.65 -758.86,-2063.98 CO5.12@-757.87,-2062.99 -755.91,-2061.02 -755.91,-1988.19 C145.2@-751.97,-1984.25 ; CO4.2.SH@-744.09,1513.59 CO4.2.SH@-744.09,1513.78 C27.2.2@-744.09,1554.93 ; C28.2.2@-744.09,1637.61 CO4.2.SH@-744.09,1682.88 ; CO4.1.SH@-744.09,2222.44 C27.1.2@-744.09,2263.78 ; C28.1.2@-744.09,2346.46 CO4.1.SH@-744.09,2391.73 ; v1(-723.43,-799.21) -723.43,-800.81 -712.6,-811.64 R142.2@-712.6,-846.46 ; v1(-704.72,1330.71) -703.59,1329.58 -695.72,1329.58 C23.2.2@-673.23,1307.09 ; v1(-700.79,688.98) D7.8@-700.79,750.98 ; v2(-675.2,2307.09) -674.44,2307.84 -674.44,2309.81 -667.21,2317.04 D4.1.3@-650.52,2317.04 ; v2(-674.44,1598.99) -665.24,1608.19 D4.2.3@-650.52,1608.19 ; C149.2@-673.23,-1830.71 -622.05,-1830.71 v1(-606.3,-1846.46) ; C126.2.2@-673.23,1259.84 -673.06,1259.84 -657.03,1275.86 v1(-656.86,1275.86) ; v1(-669.29,-1960.63) -668.8,-1960.14 -650.1,-1960.14 D19.3@-649.61,-1959.65 ; C23.1.2@-669.29,1984.25 v1(-652.37,1967.33) ; C126.1.2@-669.29,2027.56 -661.95,2034.9 -658.34,2034.9 -649.61,2043.64 v1(-649.61,2062.99) ; v1(-653.54,-980.31) C88.2@-653.54,-948.82 ; R168.2@-649.61,-1685.04 -623.18,-1658.61 -619.24,-1658.61 v1(-618.11,-1657.48) ; R33.1.2@-649.61,-1149.61 -591.68,-1207.53 -587.74,-1207.53 v1(-586.61,-1208.66) ; D6.3@-637.8,839.57 -631.22,833 -631.22,830.42 -627.11,826.31 v1(-627.11,824.71) ; D9.3@-570.87,713.58 v1(-570.87,732.28) D9.8@-570.87,750.98 ; C26.2.2@-557.99,1636.54 C26.2.2@-559.06,1637.61 -557.09,1639.58 -557.09,1680.92 CO4.2.SH@-555.12,1682.88 ; C26.1.2@-557.99,2345.39 C26.1.2@-559.06,2346.46 -557.09,2348.43 -557.09,2389.76 CO4.1.SH@-555.12,2391.73 ; CO4.2.SH@-555.12,1513.59 CO4.2.SH@-555.12,1513.78 C29.2.2@-555.12,1562.81 ; CO4.1.SH@-555.12,2222.44 C29.1.2@-555.12,2271.65 C29.1.2@-554.05,2272.72 ; C144.2@-551.18,-1988.19 -551.18,-2027.76 -543.31,-2035.63 -543.31,-2061.02 CO5.1@-541.34,-2062.99 -540.35,-2063.98 -540.35,-2109.65 CO5.32@-539.37,-2110.63 ; v1(-527.56,-1846.46) R171.2@-527.56,-1826.77 ; R241.2.2@-527.56,1212.6 v1(-503.94,1212.6) ; R242.2.2@-527.56,1350.39 v1(-503.94,1350.39) ; v1(-527.28,2035.15) -527.28,2035.43 -507.87,2054.83 R242.1.2@-507.87,2055.12 R242.1.2@-507.87,2062.99 ; R241.1.2@-507.87,1925.2 v1(-484.25,1925.2) ; D20.8@-464.57,-1955.71 v1(-464.57,-1937.01) D20.3@-464.57,-1918.31 ; v1(-433.07,401.57) -413.39,421.26 C34.2@-413.39,425.2 ; v3(-425.2,1633.67) C127.2.2@-390.75,1633.67 ; v3(-425.2,2342.52) C127.1.2@-390.75,2342.52 ; v3(-421.26,1566.74) C155.2.2@-390.75,1566.74 ; v3(-421.26,2275.59) C155.1.2@-390.75,2275.59 ; D22.3@-349.23,-1955.71 v1(-349.23,-1937.01) D22.8@-349.23,-1918.31 ; v1(-295.28,519.68) -271.65,519.68 CO3.6@-267.72,523.62 ; v1(-267.72,-1838.58) -266.59,-1837.45 -246.9,-1837.45 R169.2@-244.09,-1834.65 ; CO3.GND@-252.95,155.51 -251.97,156.5 v1(-251.97,192.91) ; CO3.GND@-252.95,718.5 -250.98,716.54 v1(-208.66,716.54) ; C157.2.2@-232.28,1642.53 -231.79,1642.04 -197.34,1642.04 v3(-196.85,1641.55) ; C157.1.2@-232.28,2351.38 -231.79,2350.89 -197.34,2350.89 v3(-196.85,2350.39) ; C156.2.2@-161.42,1642.53 -160.93,1642.04 -130.41,1642.04 v3(-129.92,1641.55) ; C156.1.2@-161.42,2351.38 -160.93,2350.89 -130.41,2350.89 v3(-129.92,2350.39) ; v1(-145.67,-2409.45) C7.2@-145.67,-2370.08 ; v1(-122.05,-1043.31) -120.45,-1043.31 -112.57,-1051.18 J5.52@-26.77,-1051.18 ; CO3.GND@-99.41,171.26 -97.44,169.29 v1(-62.99,169.29) ; v1(-67.08,-1405.56) -65.48,-1405.56 -57.66,-1413.39 J5.98@-26.77,-1413.39 ; v1(-62.99,-1161.42) J5.66@-26.77,-1161.42 ; v1(-62.18,-1224.74) -61.86,-1224.41 J5.74@-26.77,-1224.41 ; U8.4@-41.34,2153.54 -40.35,2154.53 v1(-19.68,2154.53) ; v1(-31.5,712.6) 4.92,712.6 CO3.GND@6.89,714.57 ; J5.60@-26.77,-1114.17 v1(7.87,-1114.17) ; J5.42@-26.77,-972.44 3.49,-972.44 18.56,-987.51 18.56,-998.87 v1(19.68,-1000) ; J5.32@-26.77,-893.7 v1(14.76,-893.7) ; J5.22@-26.77,-814.96 18.57,-814.96 v1(26.69,-823.07) ; J5.14@-26.77,-751.97 v1(15.75,-751.97) ; J5.8@-26.77,-704.72 v1(15.75,-704.72) ; J5.2@-26.77,-657.48 v1(15.75,-657.48) ; v1(19.68,-1086.61) 20.81,-1087.74 20.81,-1101.13 33.86,-1114.17 J5.59@66.93,-1114.17 ; v1(19.68,-1066.93) J5.53@66.93,-1066.93 ; v1(27.56,-909.45) J5.33@66.93,-909.45 ; v1(43.31,1956.69) J8.5@43.31,2015.75 ; J5.71@66.93,-1208.66 100.51,-1208.66 103.86,-1212.01 v1(105.46,-1212.01) ; J5.65@66.93,-1161.42 v1(106.3,-1161.42) ; J5.43@66.93,-988.19 102.36,-988.19 v1(110.24,-980.31) ; J5.23@66.93,-830.71 112.41,-830.71 113.6,-831.9 v1(115.2,-831.9) ; J5.13@66.93,-751.97 v1(106.3,-751.97) ; J5.7@66.93,-704.72 v1(106.3,-704.72) ; J5.1@66.93,-657.48 v1(106.3,-657.48) ; v1(98.43,133.86) 98.43,154.53 CO3.GND@115.16,171.26 ; v1(118.11,744.09) 118.11,717.52 CO3.GND@123.03,712.6 ; CO3.GND@199.02,161.42 210.83,173.23 v1(224.41,173.23) ; CO3.GND@199.02,712.6 v1(228.35,712.6) ; v1(212.6,-1366.14) R123.1@212.6,-1342.52 ; R122.1@212.6,-1283.46 v1(236.22,-1283.46) ; v1(263.78,1956.69) J8.5@263.78,2015.75 ; v1(283.46,744.09) 283.46,720.37 CO3.GND@286.42,717.42 ; CO3.GND@286.78,154.41 287.4,155.04 v1(287.4,185.04) ; IC13.59@-1283.46,847.44 IC13.59@-1269.69,847.44 ; IC13.59@-1269.69,847.44 -1269.69,875 IC13.59@-1267.72,876.97